# Altium PCB master.PcbDoc (part 1 of 5) (continued)
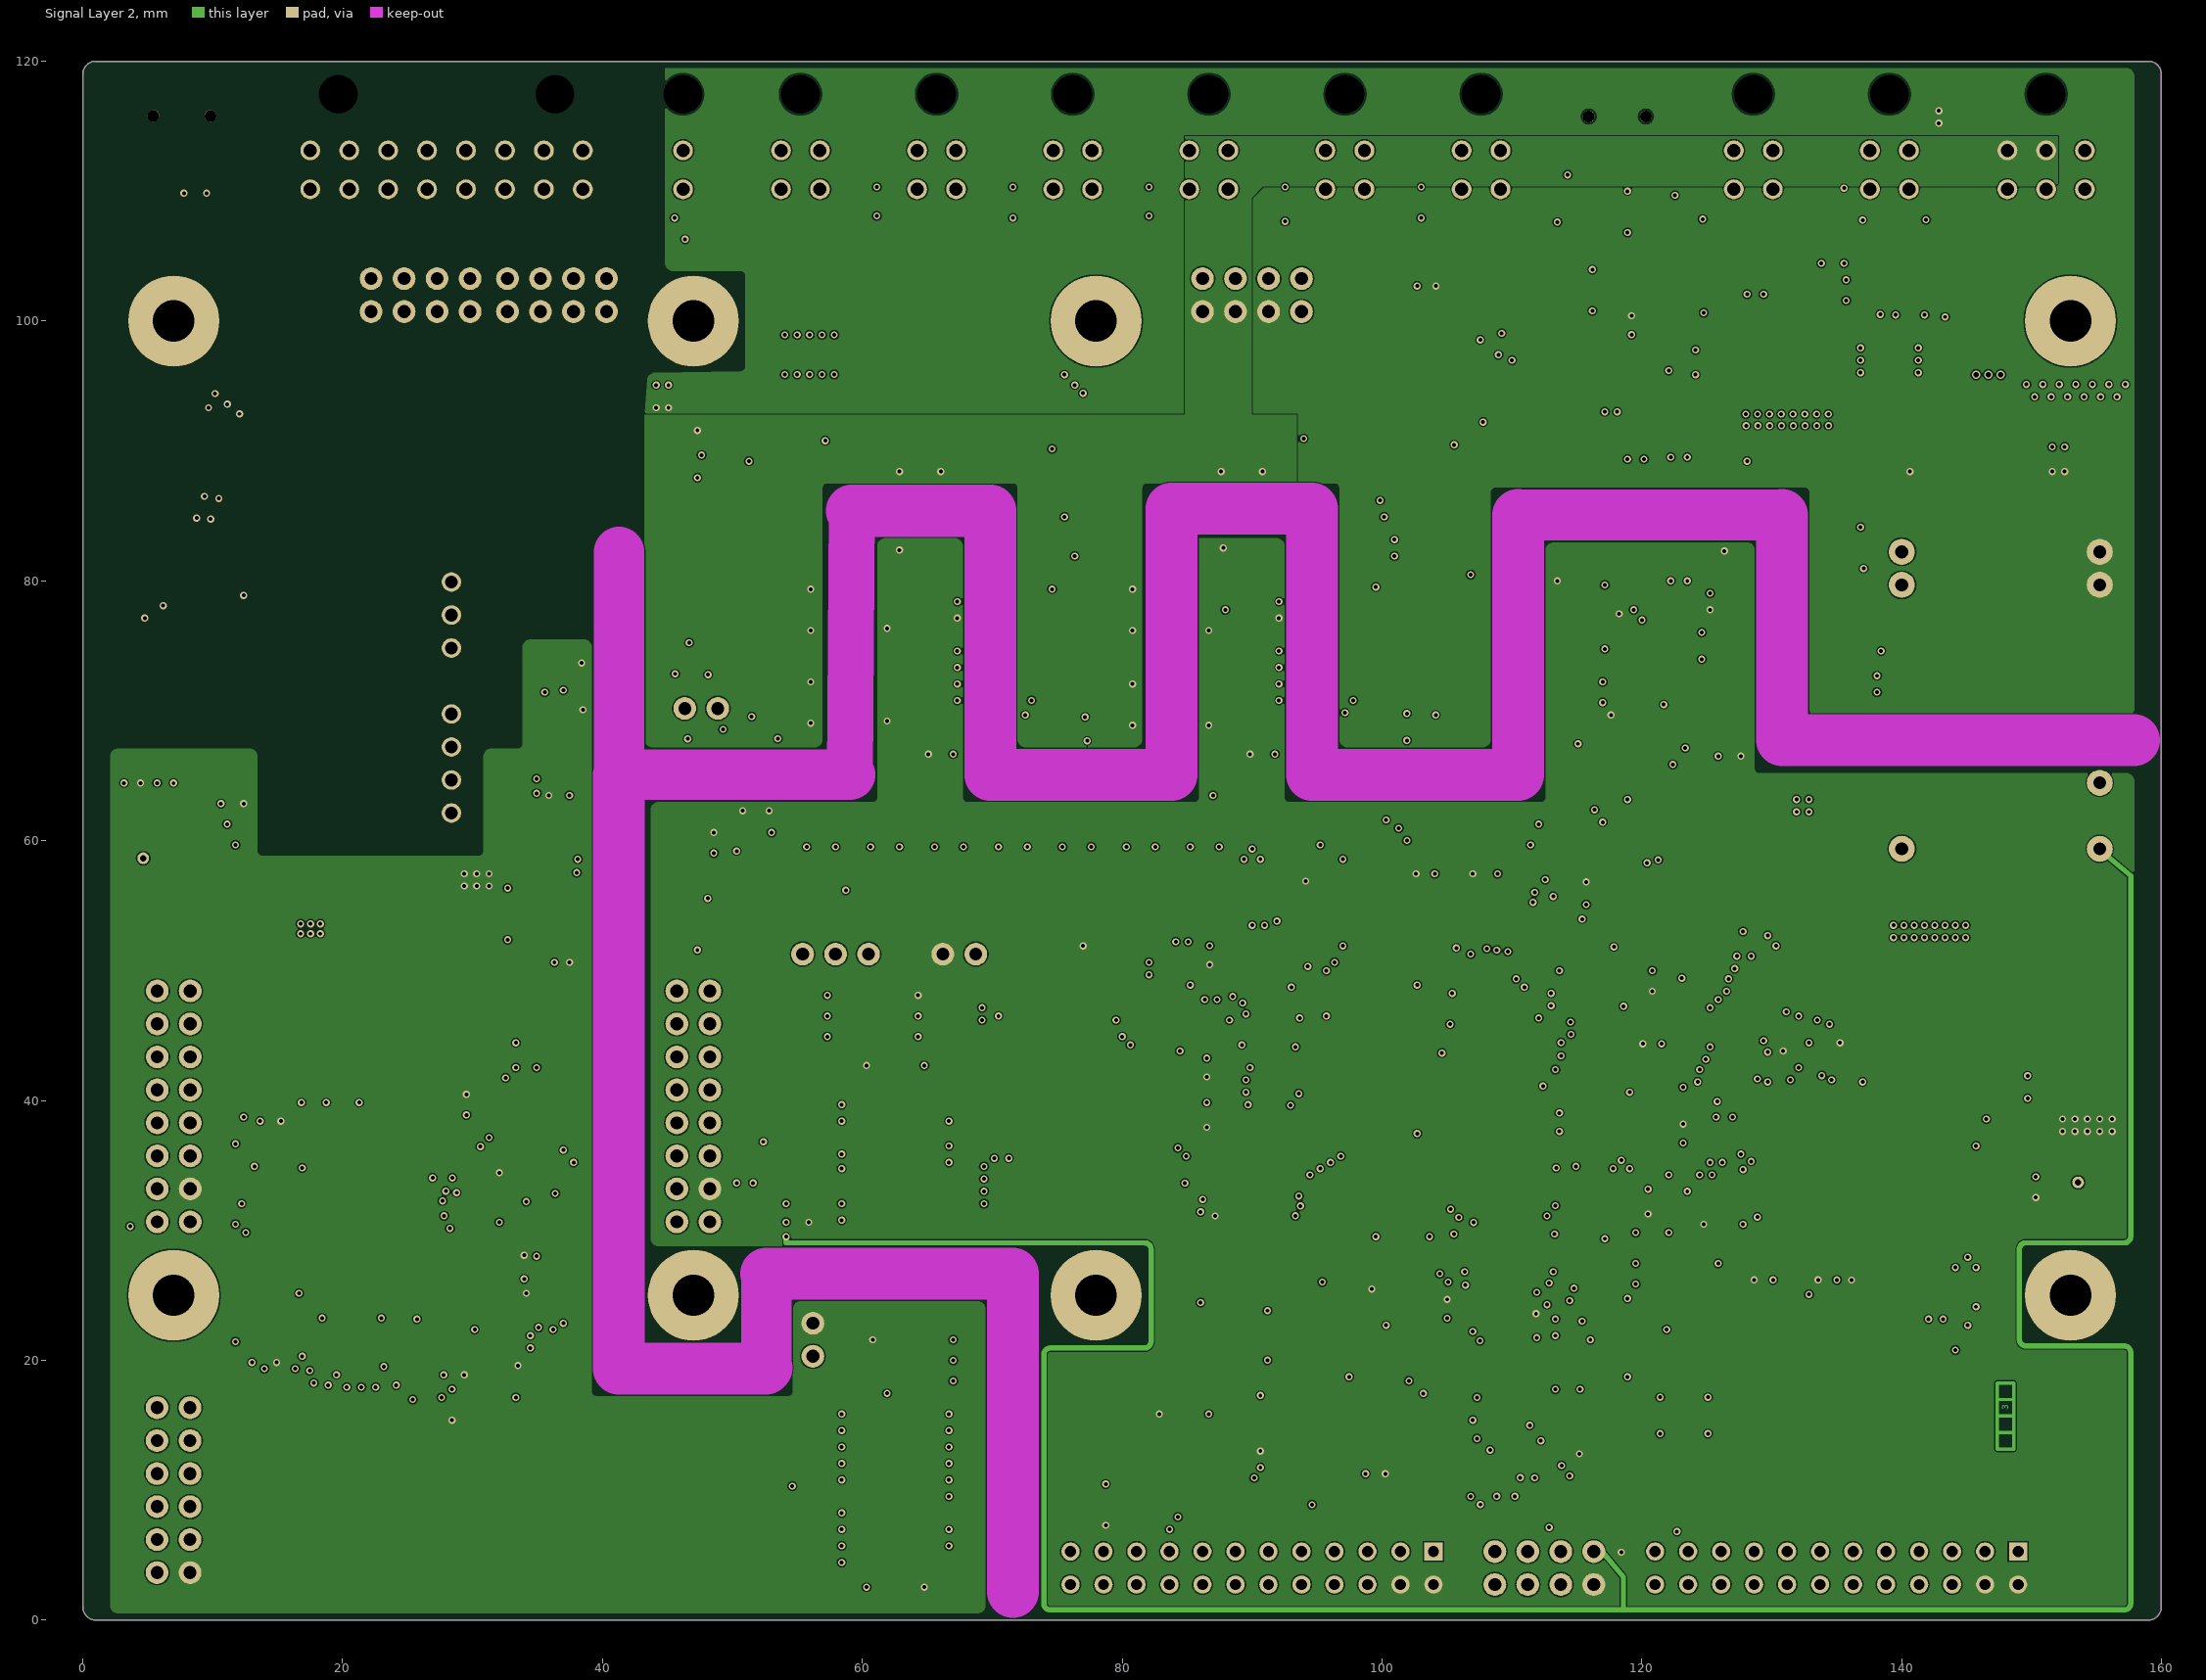
[diagram p3: Signal Layer 2]
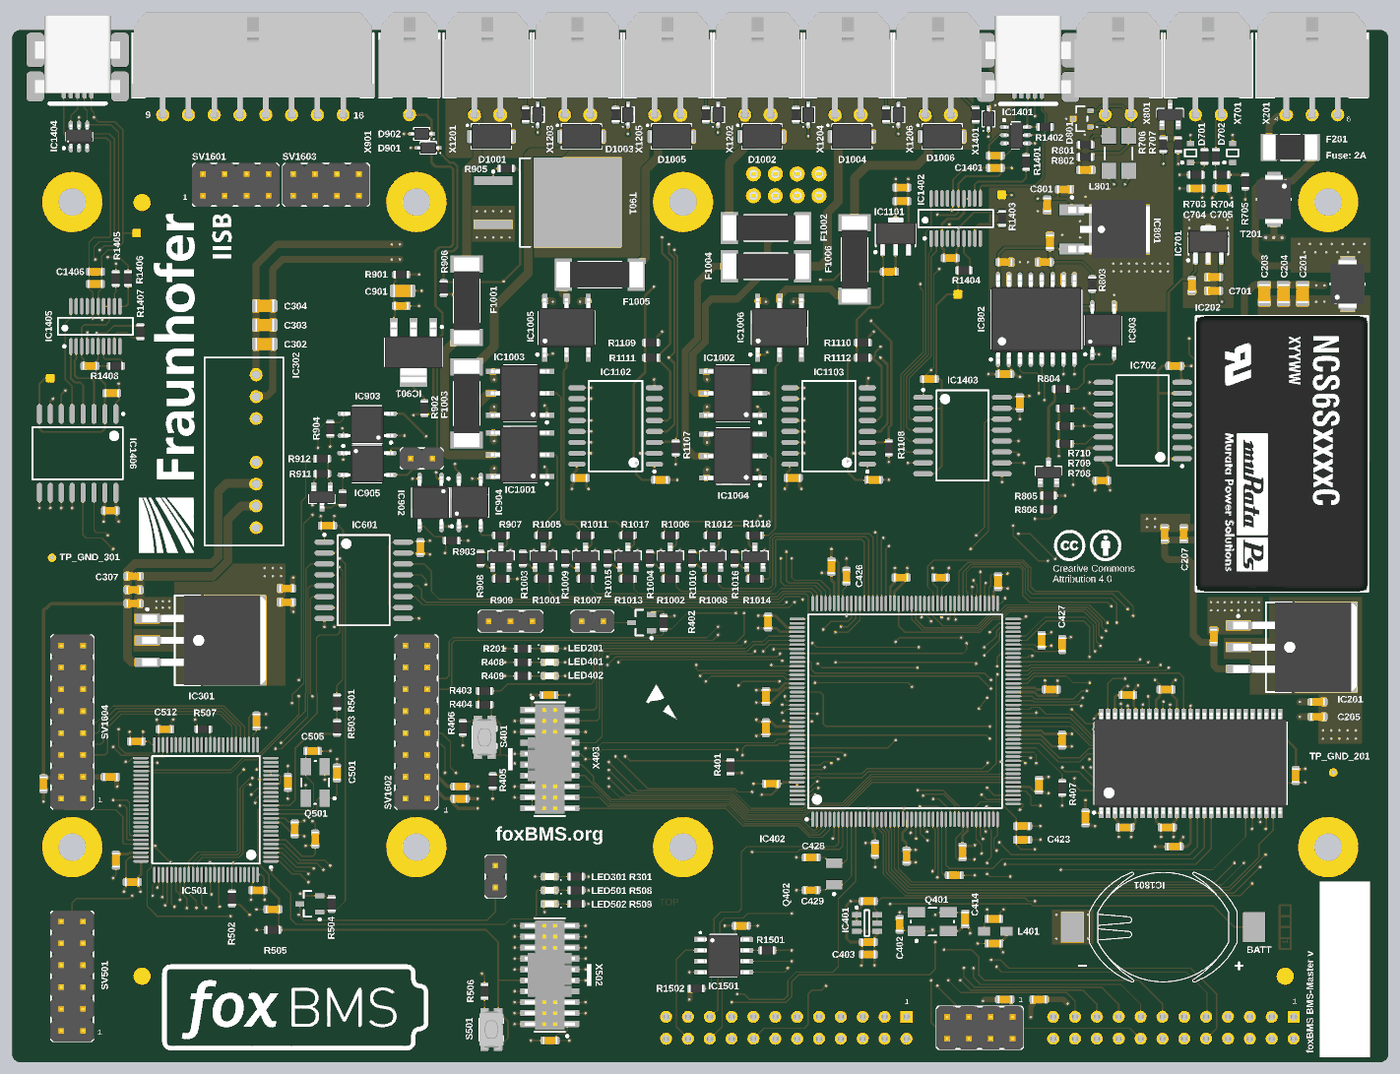
[diagram p8: 3D render of the assembled board from above, using the file's embedded part models]
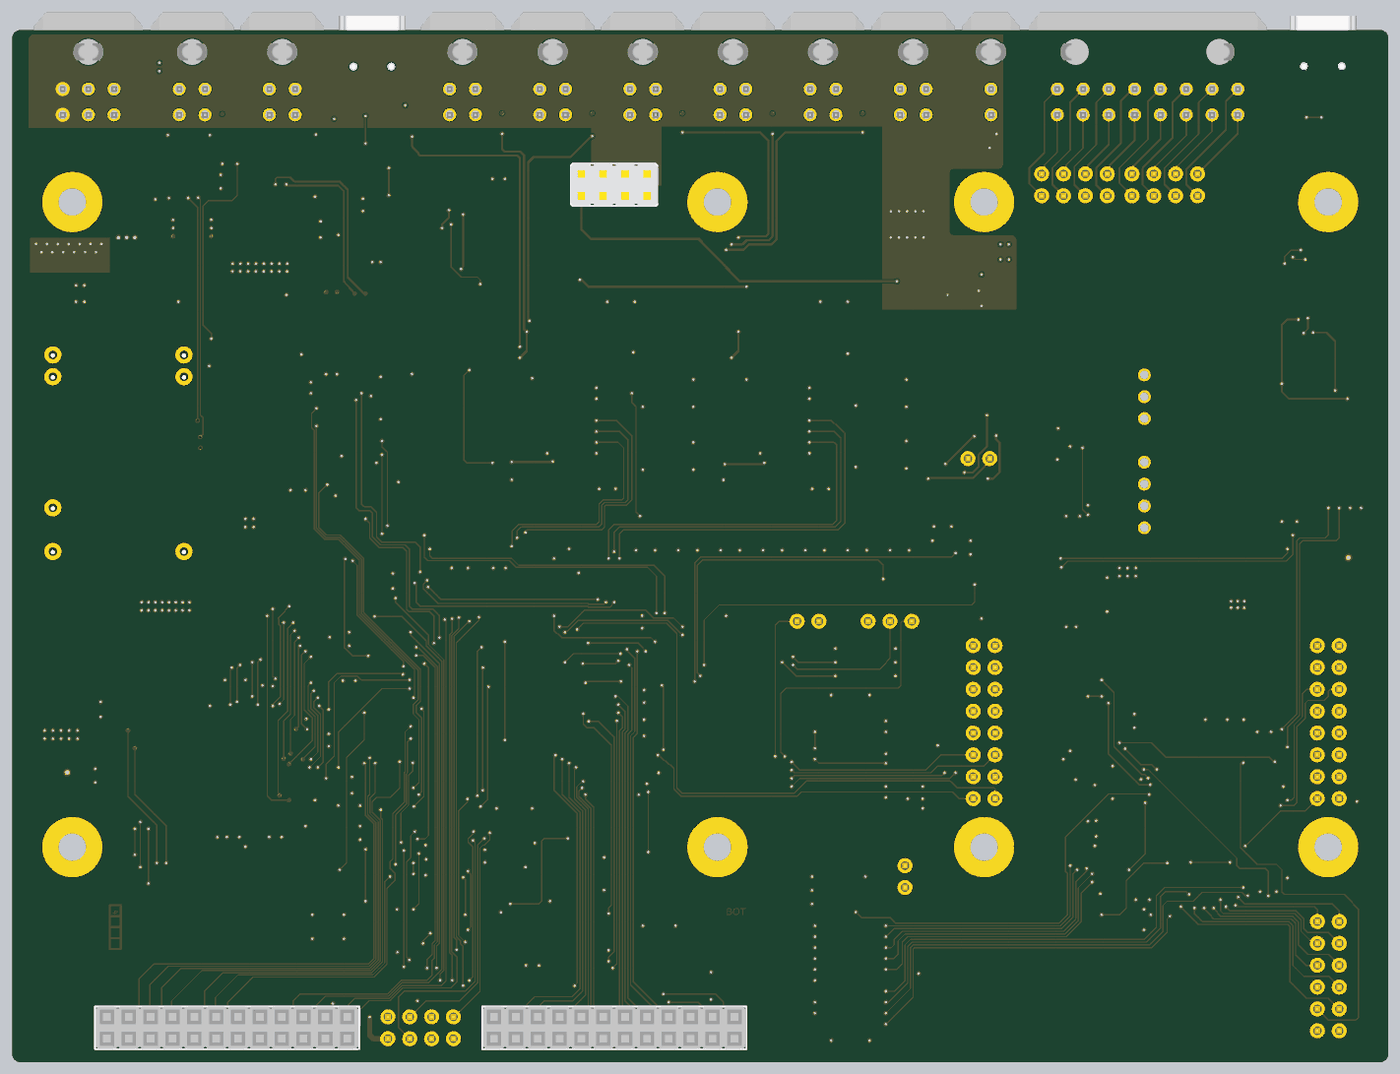
[diagram p9: 3D render of the assembled board from below, using the file's embedded part models]

## Layer stack, top to bottom
Top Solder: solder mask 0.015, Solder Resist, Dk 3.5
Top Copper: signal copper 0.035
Dielectric 1: prepreg 0.36, FR-4, Dk 4.6
Signal Layer 1: signal copper 0.035
Dielectric 2: core 0.7, FR-4, Dk 4.6
Signal Layer 2: signal copper 0.035
Dielectric 3: prepreg 0.36, FR-4, Dk 4.6
Bot Copper: signal copper 0.035
Bottom Solder: solder mask 0.015, Solder Resist, Dk 3.5

## Board outline
159,0 1,0 cw(c1,1) 0,1 0,119 cw(c1,119) 1,120 159,120 cw(c159,119) 160,119 160,1 cw(c159,1)

## Design rules (kind name [scope] priority, off if disabled: settings)
AssemblyTestPointUsage [All] p1 off:
AssemblyTestpoint [(IsPad And (OnTopLayer Or OnBottomLayer)) Or (IsPad And OnMultiLayer)] p1 off: testpointundercomponent=FALSE minsize=1.016 maxsize=2.54 preferedsize=1.524 minholesize=0 maxholesize=1.016 preferedholesize=0.813 testpointgrid=0.025 usegrid=TRUE gridtolerance=0 allowsidetop=TRUE
BoardOutlineClearance [All] p1: gap=0.203 ignorepadtopadclearanceinfootprint=FALSE except(0.508: Arc-CavityEdge Track-CavityEdge SMDPad-CavityEdge THPad-CavityEdge Via-CavityEdge Fill-CavityEdge Poly-CavityEdge Region-CavityEdge Text-CavityEdge)
Clearance [All] p1: gap=0.102 ignorepadtopadclearanceinfootprint=TRUE except(0.152: Arc-Text Arc-Hole Track-Text Track-Hole SMDPad-Text SMDPad-Hole THPad-Text THPad-Hole Via-Text Via-Hole Fill-Text Fill-Hole Poly-Text Poly-Hole Region-Text Region-Hole Text-Text Text-Hole; 0.203: Arc-Via Track-Via SMDPad-Via THPad-Via Via-Via)
FabricationTestpoint [All] p1: side=1 testpointundercomponent=TRUE minsize=0.508 maxsize=7.62 preferedsize=1.524 minholesize=0 maxholesize=1.016 preferedholesize=0.813 testpointgrid=0.025 allowsidetop=TRUE usegrid=FALSE gridtolerance=0
HoleSize [All] p1: absolutevalues=TRUE maxlimit=5.994 minlimit=0.2 maxpercent=80.000 minpercent=20.000
HoleToHoleClearance [All] p1: gap=0.152 allowstackedmicrovias=TRUE
MinimumAnnularRing [All] p1: minimumring=0.102
MinimumSolderMaskSliver [All] p1: minsoldermaskwidth=0.102
PlaneConnect [All] p1: planeconnectstyle=Direct reliefexpansion=0.508 reliefentries=4 reliefconductorwidth=0.254 reliefairgap=0.254
PolygonConnect [All] p1: connectstyle=Direct reliefconductorwidth=0.254 reliefentries=4 polygonreliefangle="90 Angle" airgapwidth=0.254
RoutingVias [All] p1: holewidth=0.203 width=0.45 viastyle="Through Hole" minholewidth=0.203 minwidth=0.45 maxholewidth=1 maxwidth=7
SMDEntry [All] p1: side=TRUE corner=TRUE anyangle=FALSE
SMDToCorner [All] p1: distance=40000
SilkToSolderMaskClearance [IsPad] p1: minsilkscreentomaskgap=0.102 clearancetoexposedcopper=FALSE
SolderMaskExpansion SolderMaskExpansion_VIAs [IsVia] p1: expansion=-10 // Cover all Vias
SolderMaskExpansion [All] p2: expansion=0.051
UnRoutedNet [All] p1: checkbadconnections=TRUE
UnpouredPolygon UnpouredPolygon_1 [All] p1:
Width [All] p1: maxlimit=1.524 minlimit=0.102 preferedwidth=0.152
20 further rules are at their usual default settings.

## Classes and differential pairs
component class U_0405_ext_bootload_activation: R401 R402 T401 X402
component class U_0404_debug_LED: LED401 LED402 R408 R409
component class U_0403_crystals: C402 C414 C428 C429 Q401 Q402
component class U_0402_analog_supply_decoupling: C404 C411 L401
component class U_0401_adc_reference: C403 C408 C422 IC401
component class U_0400_power: BATT C401 C405 C406 C407 C409 C410 C412 C413 C415 C416 C417 C418 C419 C420 C421 C423 C424
component class U_18_connector_to_BMS_extension: JP2201 JP2202
component class U_17_FPGA_SPI_interface: C2101 C2102 SV2101
component class U_16_8MB_SDRAM: C1801 C1802 C1803 C1804 C1805 C1806 C1807 IC1801
component class U_15_bms-interface_interface: C1601 C1602 C1603 C1604 SV1601 SV1602 SV1603 SV1604 X1601
component class U_14_EEPROM: C1501 IC1501 R1501 R1502
component class U_13_isolated_USB: C1401 C1402 C1403 C1404 C1405 C1406 C1407 C1408 C1409 C1410 IC1401 IC1402 IC1403 IC1404 IC1405 IC1406 R1401 R1402 R1403 R1404 R1405 R1406 R1407 R1408 TP1 TP2 TP3 TP4 X1401 X1402
component class U_12_contactor_connectors: X1201 X1202 X1203 X1204 X1205 X1206
component class U_11_contactor_feedback: C1101 C1102 C1103 C1104 C1105 C1106 C1107 D1101 D1102 D1103 D1104 D1105 D1106 IC1101 IC1102 IC1103 R1101 R1102 R1103 R1104 R1105 R1106 R1107 R1108 R1109 R1110 R1111 R1112
component class U_10_contactor_control: D1001 D1002 D1003 D1004 D1005 D1006 F1001 F1002 F1003 F1004 F1005 F1006 IC1001 IC1002 IC1003 IC1004 IC1005 IC1006 R1001 R1002 R1003 R1004 R1005 R1006 R1007 R1008 R1009 R1010 R1011 R1012 R1013 R1014 R1015 R1016 R1017 R1018 T1001 T1002 T1003 T1004 T1005 T1006
component class U_09_interlock_circuit: C901 C902 D901 D902 IC901 IC902 IC903 IC904 IC905 R901 R902 R903 R904 R905 R906 R907 R908 R909 R910 R911 R912 SV901 T901 T902 T903 X901 X902
component class U_08_CAN0: C801 C802 C803 C804 C805 C806 C807 D801 IC801 IC802 IC803 L801 R801 R802 R803 R804 R805 R806 T801 X801
component class U_07_bender_isometer_interface: C701 C702 C703 C704 C705 C706 C707 D701 D702 IC701 IC702 R701 R702 R703 R704 R705 R706 R707 R708 R709 R710 T701 X701
component class U_06_mcu0_to_mcu1_isolated_SPI: C601 C602 IC601
component class U_05_mcu1_secondary: C501 C502 C503 C504 C505 C506 C507 C508 C509 C510 C511 C512 C513 IC501 LED501 LED502 Q501 R501 R502 R503 R504 R505 R506 R507 R508 R509 S501 SV501 T501 X501 X502
component class U_04_mcu0_primary: C425 C426 C427 C430 IC402 R403 R404 R405 R406 R407 S401 X401 X403
component class U_03_supply1: C301 C302 C303 C304 C305 C306 C307 C308 IC301 IC302 LED301 R301 TP_GND_301
component class U_02_supply0: C201 C202 C203 C204 C205 C206 C207 C208 D201 F201 IC201 IC202 LED201 R201 T201 TP_GND_201 X201
net class BMS-INTERFACE_1_GPIO_[0..3]: BMS-INTERFACE_1_GPIO_0 BMS-INTERFACE_1_GPIO_1 BMS-INTERFACE_1_GPIO_2 BMS-INTERFACE_1_GPIO_3
net class BMS-INTERFACE_0_GPIO_[0..3]: BMS-INTERFACE_0_GPIO_0 BMS-INTERFACE_0_GPIO_1 BMS-INTERFACE_0_GPIO_2 BMS-INTERFACE_0_GPIO_3
net class ADC_MCU_0_CH_[0..4]: ADC_MCU_0_CH_0 ADC_MCU_0_CH_1 ADC_MCU_0_CH_2 ADC_MCU_0_CH_3 ADC_MCU_0_CH_4
net class FMC_MCU_0_RAM_NBL[0..1]: FMC_MCU_0_RAM_NBL0 FMC_MCU_0_RAM_NBL1
net class FMC_MCU_0_RAM_D[0..15]: FMC_MCU_0_RAM_D0 FMC_MCU_0_RAM_D1 FMC_MCU_0_RAM_D2 FMC_MCU_0_RAM_D3 FMC_MCU_0_RAM_D4 FMC_MCU_0_RAM_D5 FMC_MCU_0_RAM_D6 FMC_MCU_0_RAM_D7 FMC_MCU_0_RAM_D8 FMC_MCU_0_RAM_D9 FMC_MCU_0_RAM_D10 FMC_MCU_0_RAM_D11 FMC_MCU_0_RAM_D12 FMC_MCU_0_RAM_D13 FMC_MCU_0_RAM_D14 FMC_MCU_0_RAM_D15
net class FMC_MCU_0_RAM_BA[0..1]: FMC_MCU_0_RAM_BA0 FMC_MCU_0_RAM_BA1
net class FMC_MCU_0_RAM_A[0..11]: FMC_MCU_0_RAM_A0 FMC_MCU_0_RAM_A1 FMC_MCU_0_RAM_A2 FMC_MCU_0_RAM_A3 FMC_MCU_0_RAM_A4 FMC_MCU_0_RAM_A5 FMC_MCU_0_RAM_A6 FMC_MCU_0_RAM_A7 FMC_MCU_0_RAM_A8 FMC_MCU_0_RAM_A9 FMC_MCU_0_RAM_A10 FMC_MCU_0_RAM_A11
polygon class PolygonThermal_OFF: GND_EXT_0_L02_P055 Polygon_1_Net_+3.3V_0 Polygon_1_Net_+3.3V_1 Polygon_1_Net_CONTACTORS_COMMON_NEG Polygon_1_Net_GND_0 Polygon_1_Net_GND_1 Polygon_1_Net_GND_EXT_2 Polygon_1_Net_N$16 Polygon_1_Net_SUPPLY_EXT_0 Polygon_1_Net_SUPPLY_EXT_2 Polygon_2_Net_+3.3V_0 Polygon_2_Net_+3.3V_1 Polygon_2_Net_GND_0 Polygon_2_Net_GND_1 Polygon_2_Net_GND_EXT_0 Polygon_2_Net_GND_EXT_2 Polygon_2_Net_N$16 Polygon_2_Net_SUPPLY_EXT_0 Polygon_2_Net_SUPPLY_EXT_2 Polygon_3_Net_GND_0 Polygon_3_Net_GND_EXT_0
pad class SMDSolder_OFF: IC701-2 IC1101-2 T901-2 T901-4 T901-S
pad class SMDPaste_OFF: IC701-2 IC1101-2 T901-1 T901-2 T901-3 T901-4 T901-D T901-G T901-S

## Components (designator, comment, footprint, x,y, rotation, side; value= is the part's Value field where it differs from the comment)
BATT "battholder" SMTU_1225-1-LF 133.826,15.701 r180 top locked
C201 "2u2/50V" CAPC2012X14N 150.019,89.361 r90 top
C202 "100n/50V" CAPC1608X08N 139.7,49.515 r90 top
C203 "2u2/50V" CAPC2012X14N 145.574,89.361 r90 top
C204 "2u2/50V" CAPC2012X14N 147.796,89.361 r90 top
C205 "1u/35V" CAPC1608X08N 151.765,40.149 r180 top
C206 "100n/50V" CAPC1608X08N 151.765,41.895 r180 top
C207 "1u/35V" CAPC1608X08N 136.207,61.421 r90 top
C208 "100n/50V" CAPC1608X08N 133.985,61.421 r90 top locked
C301 "100n/50V" CAPC1608X08N 14.129,53.325 r0 top
C302 "2u2/50V" CAPC2012X14N 29.369,83.488 r180 top locked
C303 "2u2/50V" CAPC2012X14N 29.369,85.71 r180 top locked
C304 "2u2/50V" CAPC2012X14N 29.369,87.933 r180 top
C305 "1u/35V" CAPC1608X08N 31.909,53.484 r0 top
C306 "100n/50V" CAPC1608X08N 31.909,55.071 r0 top
C307 "1u/35V" CAPC1608X08N 14.129,56.5 r0 top
C308 "100n/50V" CAPC1608X08N 14.129,54.913 r0 top locked
C401 "100n/50V" CAPC1608X08N 110.49,24.433 r90 top
C402 "18p/50V" CAPC1608X08N 103.188,16.019 r270 top locked
C403 "1u/35V" CAPC1608X08N 99.536,12.526 r180 top
C404 "100n/50V" CAPC1608X08N 114.141,13.796 r180 top
C405 "100n/50V" CAPC1608X08N 119.38,32.211 r90 top
C406 "100n/50V" CAPC1608X08N 119.697,49.039 r90 top
C407 "100n/50V" CAPC1608X08N 88.265,32.37 r180 top
C408 "100n/50V" CAPC1608X08N 99.536,13.955 r180 top
C409 "100n/50V" CAPC1608X08N 100.33,24.75 r270 top
C410 "100n/50V" CAPC1608X08N 103.981,23.956 r270 top
C411 "100n/50V" CAPC1608X08N 114.141,16.654 r0 top locked
C412 "100n/50V" CAPC1608X08N 122.079,37.45 r270 top
C413 "100n/50V" CAPC1608X08N 120.809,43.324 r0 top
C414 "18p/50V" CAPC1608X08N 110.807,16.654 r270 top locked
C415 "100n/50V" CAPC1608X08N 114.617,55.865 r270 top
C416 "100n/50V" CAPC1608X08N 107.95,56.341 r0 top
C417 "100n/50V" CAPC1608X08N 103.346,56.341 r0 top
C418 "100n/50V" CAPC1608X08N 95.25,57.611 r90 top
C419 "100n/50V" CAPC1608X08N 87.884,51.181 r90 top
C420 "100n/50V" CAPC1608X08N 87.63,42.53 r90 top
C421 "100n/50V" CAPC1608X08N 87.63,38.879 r90 top
C422 "100n/50V" CAPC1608X08N 99.536,18.718 r180 top
C423 "1u/35V" CAPC1608X08N 117.475,25.861 r0 top locked
C424 "100n/50V" CAPC1608X08N 117.475,27.449 r0 top
C425 "100n/50V" CAPC1608X08N 109.537,21.734 r0 top locked
C426 "2u2/10V" CAPC1608X08N 96.996,56.5 r90 top locked
C427 "2u2/10V" CAPC1608X08N 122.079,48.563 r90 top locked
C428 "18p/50V" CAPC1608X08N 92.904,23.814 r0 top locked
C429 "18p/50V" CAPC1608X08N 92.904,20.004 r180 top locked
C430 "100n/50V" CAPC1608X08N 62.389,42.689 r0 top
C501 "18p/50V" CAPC1608X08N 37.782,33.63 r270 top locked
C502 "100n/50V" CAPC1608X08N 32.067,32.529 r270 top
C503 "100n/50V" CAPC1608X08N 14.446,37.291 r180 top
C504 "100n/50V" CAPC1608X08N 32.861,27.131 r270 top
C505 "18p/50V" CAPC1608X08N 34.925,36.18 r0 top locked
C506 "100n/50V" CAPC1608X08N 28.416,39.673 r270 top
C507 "100n/50V" CAPC1608X08N 13.97,20.94 r180 top
C508 "100n/50V" CAPC1608X08N 28.575,19.988 r180 top
C509 "100n/50V" CAPC1608X08N 30.321,17.765 r180 top
C510 "100n/50V" CAPC1608X08N 35.242,25.941 r90 top
C511 "2u2/10V" CAPC1608X08N 12.065,23.48 r270 top locked
C512 "2u2/10V" CAPC1608X08N 17.78,38.72 r0 top locked
C513 "100n/50V" CAPC1608X08N 62.547,2.525 r180 top
C601 "100n/50V" CAPC1608X08N 47.466,59.834 r90 top
C602 "100n/50V" CAPC1608X08N 36.671,62.374 r0 top
C701 "1u/35V" CAPC1608X08N 139.7,89.679 r180 top
C702 "100n/50V" CAPC1608X08N 139.7,91.266 r180 top
C703 "100n/50V" CAPC1608X08N 137.16,90.314 r270 top locked
C704 "18p/50V" CAPC1608X08N 137.636,101.585 r180 top
C705 "18p/50V" CAPC1608X08N 140.654,101.6 r0 top locked
C706 "100n/50V" CAPC1608X08N 135.176,80.948 r0 top locked
C707 "100n/50V" CAPC1608X08N 126.682,67.613 r180 top
C801 "1u/35V" CAPC1608X08N 122.326,101.473 r180 top
C802 "100n/50V" CAPC1608X08N 120.332,99.68 r90 top
C803 "100n/50V" CAPC1608X08N 120.65,95.394 r270 top
C804 "4n7/50V" CAPC1608X08N 124.803,103.734 r0 top
C805 "100n/50V" CAPC1608X08N 120.015,93.013 r0 top
C806 "100n/50V" CAPC1608X08N 115.411,93.013 r180 top
C807 "100n/50V" CAPC1608X08N 115.411,79.995 r180 top
C901 "2u2/50V" CAPC2012X14N 45.402,89.679 r0 top locked
C902 "100n/50V" CAPC1608X08N 45.244,87.933 r0 top locked
C1101 "1u/35V" CAPC1608X08N 103.436,101.676 r180 top
C1102 "100n/50V" CAPC1608X08N 103.436,100.101 r180 top
C1103 "100n/50V" CAPC1608X08N 101.986,91.901 r0 top
C1104 "100n/50V" CAPC1608X08N 75.387,67.691 r0 top locked
C1105 "100n/50V" CAPC1608X08N 100.158,67.708 r0 top
C1106 "100n/50V" CAPC1608X08N 66.04,67.93 r0 top
C1107 "100n/50V" CAPC1608X08N 90.805,67.93 r0 top
C1401 "4u7/25V" CAPC1608X08N 114.3,103.966 r180 top
C1402 "100n/50V" CAPC1608X08N 114.3,105.395 r180 top
C1403 "100n/50V" CAPC1608X08N 106.64,79.426 r0 top locked
C1404 "100n/50V" CAPC1608X08N 109.061,93.489 r0 top locked
C1405 "100n/50V" CAPC1608X08N 117.157,76.661 r270 top
C1406 "4u7/25V" CAPC1608X08N 9.684,91.901 r180 top
C1407 "100n/50V" CAPC1608X08N 9.684,90.473 r180 top
C1408 "100n/50V" CAPC1608X08N 11.589,77.773 r180 top locked
C1409 "100n/50V" CAPC1608X08N 9.049,80.948 r0 top locked
C1410 "100n/50V" CAPC1608X08N 11.43,64.12 r180 top
C1501 "100n/50V" CAPC1608X08N 84.772,15.86 r180 top
C1601 "100n/50V" CAPC1608X08N 52.07,32.053 r0 top
C1602 "100n/50V" CAPC1608X08N 52.07,30.624 r0 top locked
C1603 "100n/50V" CAPC1608X08N 11.43,33.164 r0 top
C1604 "100n/50V" CAPC1608X08N 3.651,32.37 r270 top
C1801 "100n/50V" CAPC1608X08N 129.381,27.29 r0 top
C1802 "100n/50V" CAPC1608X08N 134.302,27.29 r0 top
C1803 "100n/50V" CAPC1608X08N 135.096,25.068 r180 top
C1804 "100n/50V" CAPC1608X08N 149.225,33.323 r90 top
C1805 "100n/50V" CAPC1608X08N 124.777,28.401 r270 top
C1806 "100n/50V" CAPC1608X08N 134.144,43.324 r180 top
C1807 "100n/50V" CAPC1608X08N 129.699,42.689 r180 top
C2101 "100n/50V" CAPC1608X08N 119.38,7.288 r180 top
C2102 "100n/50V" CAPC1608X08N 115.411,7.288 r180 top locked
D201 "gen_d_schottky_3A_smb" SMB 155.257,90.473 r90 top locked
D701 "MM3Z4V7ST1G" ONSC-SOD-323-2-477-02_V 137.001,105.713 r90 top
D702 "MM3Z4V7ST1G" ONSC-SOD-323-2-477-02_V 141.884,105.715 r90 top
D801 "PESD1CAN" NXP-SOT23-3_V 124.358,109.677 r270 top locked
D901 "MM3Z12VT1G" SODFL250X110-2N 48.387,106.299 r180 top
D902 "MM3Z12VT1G" SODFL250X110-2N 47.625,107.935 r180 top
D1001 "d_si_sma_1A" DIOM4326X24N 55.721,107.618 r0 top locked
D1002 "d_si_sma_1A" DIOM4326X24N 87.154,107.618 r0 top locked
D1003 "d_si_sma_1A" DIOM4326X24N 66.199,107.618 r0 top locked
D1004 "d_si_sma_1A" DIOM4326X24N 97.631,107.618 r0 top locked
D1005 "d_si_sma_1A" DIOM4326X24N 76.676,107.618 r0 top locked
D1006 "d_si_sma_1A" DIOM4326X24N 108.109,107.618 r0 top locked
D1101 "CDSOD323-T05" SODFL250X110-2N 61.119,110.158 r90 top
D1102 "CDSOD323-T05" SODFL250X110-2N 92.551,110.158 r90 top
D1103 "CDSOD323-T05" SODFL250X110-2N 71.596,110.158 r90 top
D1104 "CDSOD323-T05" SODFL250X110-2N 103.029,110.158 r90 top
D1105 "CDSOD323-T05" SODFL250X110-2N 82.074,110.158 r90 top
D1106 "CDSOD323-T05" SODFL250X110-2N 113.506,109.681 r90 top
Designator15 "Comment" Hole_3.2_Iso#1 153,100 r0 top locked
Designator16 "Comment" Hole_3.2_Iso#2 78,100 r0 top locked
Designator17 "Comment" Hole_3.2_Iso#3 47,100 r0 top locked
Designator18 "Comment" Hole_3.2_Iso#4 7,100 r0 top locked
Designator19 "Comment" Hole_3.2_Iso#5 7,25 r0 top locked
Designator20 "Comment" Hole_3.2_Iso#6 47,25 r0 top locked
Designator21 "Comment" Hole_3.2_Iso#7 78,25 r0 top locked
Designator22 "Comment" Hole_3.2_Iso#8 153,25 r0 top locked
Designator181 "Comment" layermarker4 147.365,13.161 r90 top
F201 "fuse_2A_0452002.MRL" LITTLEFUSE_452_454 148.59,106.348 r0 top locked
F1001 "fuse_4A_3403.0172.11" Schurter_UMT_250 52.832,88.519 r90 top locked
F1002 "fuse_4A_3403.0172.11" Schurter_UMT_250 87.63,96.981 r180 top locked
F1003 "fuse_4A_3403.0172.11" Schurter_UMT_250 52.832,76.581 r90 top locked
F1004 "fuse_4A_3403.0172.11" Schurter_UMT_250 87.63,92.536 r0 top locked
F1005 "fuse_4A_3403.0172.11" Schurter_UMT_250 68.326,91.567 r0 top locked
F1006 "fuse_4A_3403.0172.11" Schurter_UMT_250 97.949,93.33 r90 top locked
IC201 "LM1085IS-3.3/NOPB" KTT0003B_N 148.749,48.245 r0 top locked
IC202 "NCS6S1205C" NCS6S1205C 147.637,70.73 r270 top
IC301 "LM1085IS-3.3/NOPB" KTT0003B_N 21.907,49.039 r0 top locked
IC302 "RS-xxxxS" RECOM_RS-S_D 22.375,81.91 r270 top
IC401 "ADR3425ARJZ-R2" ADI-RJ-6_N 99.377,16.178 r0 top locked
IC402 "STM32F429IIT6" STM-LQFP176_N 103.822,40.784 r90 top
IC501 "STM32F429VIT6" STM-LQFP100_N 22.543,29.354 r180 top
IC601 "ADUM3401CRWZ" ADI-RW-16_N 40.878,56.024 r0 top locked
IC701 "UA78L05CPK" PK0003A_L 139.065,95.076 r90 top locked
IC702 "ADUM3301CRWZ" ADI-RW-16_N 131.445,74.598 r180 top locked
IC801 "KA7805ERT" DPAK228P950X240-3N 127,96.823 r0 top locked
IC802 "TJA1052IT/5Y" NXP-SOIC-16_L 119.062,86.345 r90 top locked
IC803 "CPC1008N" SOP254P610X218-4N 126.841,85.075 r90 top locked
IC901 "NCV317MBSTT3G" SOT230P700X180-4N 46.672,82.535 r270 top locked
IC902 "CPC1008N" SOP254P610X218-4N 48.641,65.073 r270 top locked
IC903 "CPC1008N" SOP254P610X218-4N 41.286,74.123 r180 top locked
IC904 "CPC1008N" SOP254P610X218-4N 53.213,65.073 r90 top locked
IC905 "CPC1008N" SOP254P610X218-4N 41.272,69.547 r0 top locked
IC1001 "AQV252G2SX" SOP254P680X220-6N 59.055,70.629 r180 top locked
IC1002 "AQV252G2SX" SOP254P680X220-6N 83.82,77.773 r180 top locked
IC1003 "AQV252G2SX" SOP254P680X220-6N 59.055,77.773 r180 top locked
IC1004 "AQV252G2SX" SOP254P680X220-6N 83.82,70.47 r180 top locked
IC1005 "AQV252G2SX" SOP254P680X220-6N 64.453,85.393 r90 top locked
IC1006 "AQV252G2SX" SOP254P680X220-6N 89.218,85.393 r90 top locked
IC1101 "UA78L05CPK" PK0003A_L 102.711,96.029 r90 top locked
IC1102 "ADUM3300CRWZ" ADI-RW-16_L 70.168,73.963 r180 top locked
IC1103 "ADUM3300CRWZ" ADI-RW-16_L 94.932,73.963 r180 top locked
IC1401 "IP4220CZ6" TSOP95P280X110-6N 116.681,107.776 r0 top
IC1402 "FT231XS-R" SSOP-20_L 109.696,98.093 r90 top
IC1403 "ADUM3401CRWZ" ADI-RW-16_N 110.49,72.851 r0 top locked
IC1404 "IP4220CZ6" TSOP95P280X110-6N 7.779,107.618 r90 top
IC1405 "FT231XS-R" SSOP-20_L 9.684,85.551 r90 top
IC1406 "ADUM3401CRWZ" ADI-RW-16_N 7.62,70.788 r270 top locked